# KiCad board Rogelio Pineda part 6-AMLDC-2044B.kicad_pcb (continued)
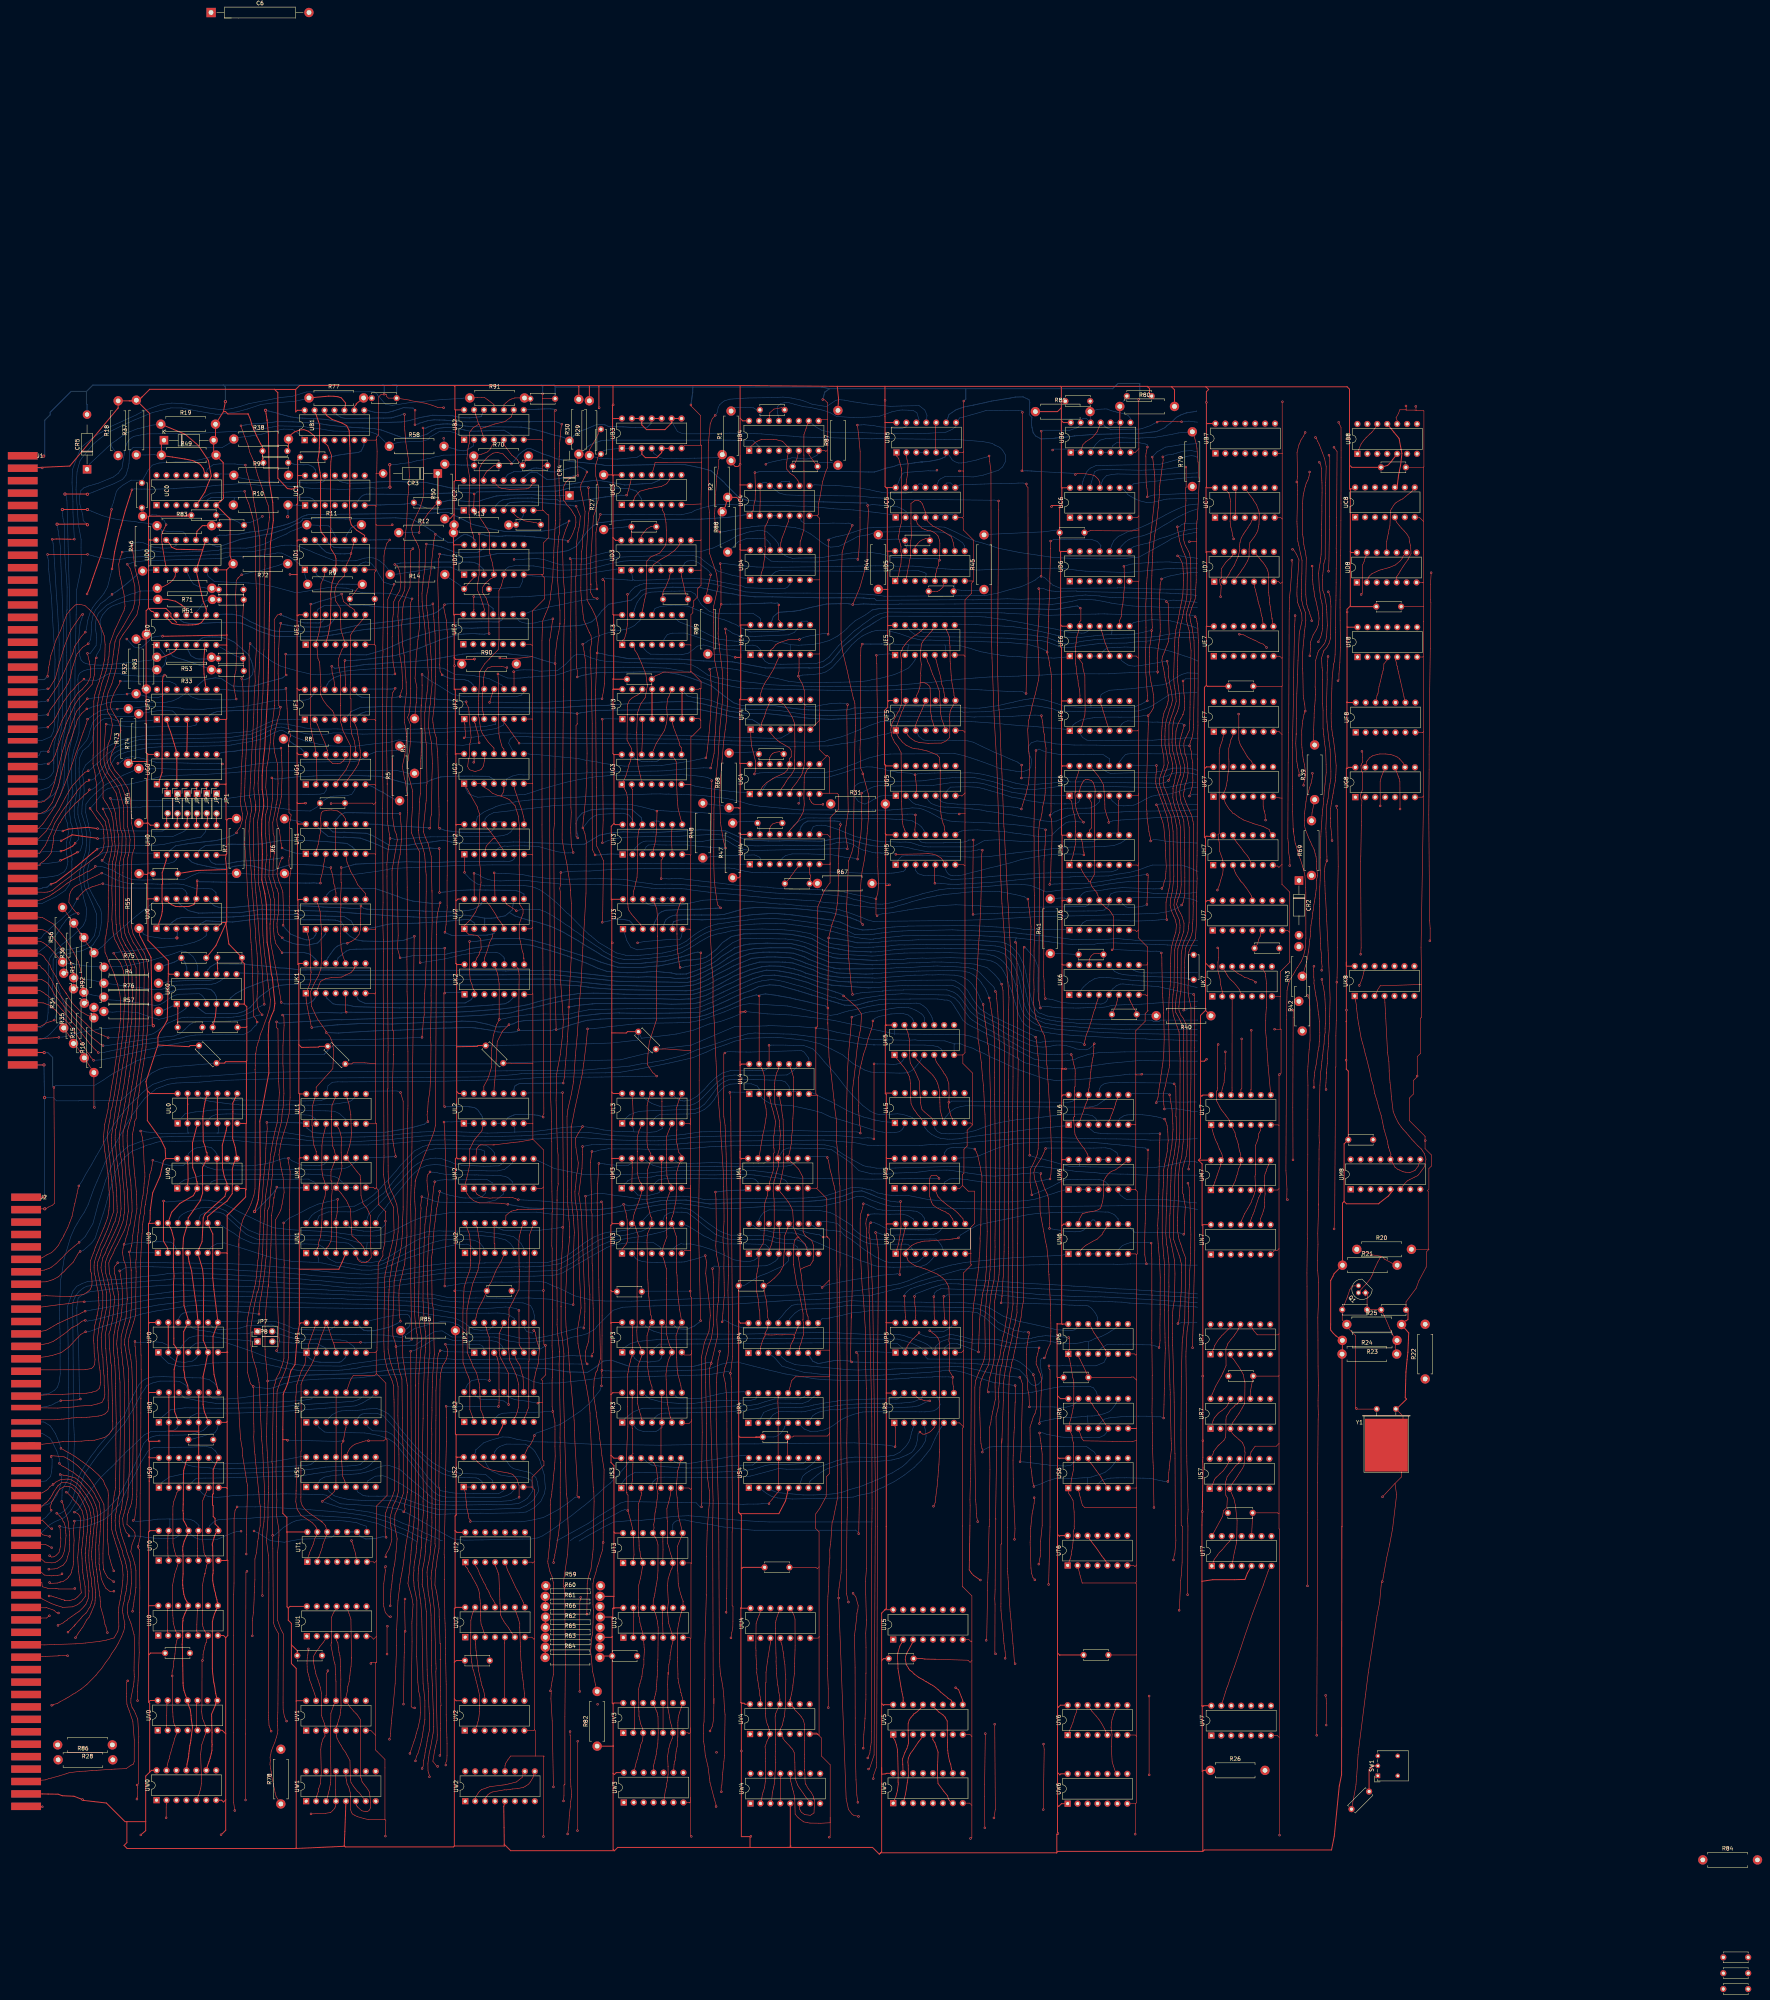
[diagram p0: board, top side]
## Routing (per net, layer and track width the routed paths; a pad name or vN(x,y) marks a point on that pad's centre or on a via; arc(x,y) is an arc through that point) (continued)
  Bottom w0.15: v1(321.14,251.26) 320.94,251.56 320.34,252.72 320.07,253.55 319.57,254.48 319.07,255.28 318.4,256.34 317.37,257.41 315.59,258.41 313.85,258.73 311.1,258.81 309.72,258.84 308.24,258.77 306.73,258.81 305.67,258.73 303.71,258.73 302.49,258.65 299.47,258.41 296.63,258.2 296.07,258.14 295.14,258.03 293.43,257.97 292.8,258.02
  Bottom w0.2: 270.67,262.09 270.64,262.06 ; UK0.3 120.41,250.46 121.51,249.63 122.41,248.98 123.75,248.9 124.63,248.87 126.23,248.95 127.56,248.94 130.53,248.96 132.16,249.44 133.84,250.48 136.27,253.22 137.42,254.04 138.14,254.57 139.5,255.56 141.61,256.13 143.75,256.35 153.16,256.38 163.67,256.37 181.52,256.27 212.87,256.28 216.67,256.09 217.46,256.07 220.21,255.67 221.2,255.51 225.88,255.18 227.47,255.04 245.18,254.73 247.02,254.88 248.36,255.24 250.97,256.36 253.23,257.65 255.58,258.67 259.06,260.6 261.22,261.3 263.94,262.06 269.08,262.09 ; 292.8,258.02 288.78,258.09 285.48,258.07 281.96,258.52 279.55,259.11 277.71,260.1 272.53,261.84 269.9,262.06 269.2,262.06
K0p5: length 24.1
  Top w0.25: UK0.5 124.98,248.19 C64.1
  Bottom w0.2: R76.2 112.62,254.17 114,254.63 115.59,255.11 122.29,255.32 123.82,255.08 124.74,254.18 125.28,253.1 UK0.5
K0p6: length 351
  Top w0.15: v1(320.94,136.91) 320.94,137.71 320.82,137.91 320.58,139.14 320.47,140.68 320.24,148.22 320.31,153.5 320.53,154.83 321.06,156.24 321.68,157.56 322.52,159.17 322.79,160.89 322.66,171.23 322.79,174.03 323.17,177.37 323.34,178.17 323.78,180.29 323.94,180.92 324.04,185.23 324.13,186.23 324.19,189.3 324.16,190.93 324.26,197.94 324.25,197.95 324.25,208.42 324.26,208.44 324.26,215.61 324.22,216.36 324.06,228.27 324.03,232.49 324.03,233.99 324.1,238.33 324.13,239.53 323.89,244.41 323.79,245.51 323.39,248.74 323.14,250.23 322.92,251.77 322.86,252.08 v1(322.67,252.92)
  Bottom w0.15: v1(320.94,136.91) 321.19,137.44 322.63,138.2 324.06,138.33 324.37,138.34 325.45,138.36 326.71,138.34 327.43,138.34 328.18,138.36 347.58,138.31 349.57,136.89 US6.11 ; v1(322.67,252.92) 322.26,254.05 321.91,254.8 321.68,255.32 320.84,256.49 320.67,256.84 319.84,257.8 318.75,258.75 317.65,259.37 316.03,259.78 313.35,259.92 313.28,259.85 313.2,259.92 304.7,259.78 304.05,259.75 301.37,259.68 300.67,259.66 299.73,259.63 297.23,259.46 296.51,259.42 295.19,259.24 293.95,259.17 292.82,259.07
  Bottom w0.2: UK0.6 128.89,252.94 130.23,254.06 132.78,255.43 135.49,256.48 138.12,257.48 142.22,257.55 145.78,257.55 177.09,257.55 210.47,257.75 225.6,256.19 232.65,255.98 239.81,255.83 242.02,255.82 244.26,255.89 247.18,256.22 249.53,257.05 250.92,257.68 253.1,258.92 256.19,260.46 257.32,261.04 262.01,263.03 265.9,263.36 267.97,263.38 271.93,263.17 274.62,262.29 275.81,261.78 277.56,261.18 278.77,260.71 281.22,259.99 283.74,259.31 286.35,259.17 291.21,259 292.99,259.07
K0p8: length 332.3
  Top w0.15: v1(324.26,254.58) 324.49,254.17 324.51,253.81 324.61,252.74 324.88,249.42 325.21,241.98 325.35,241.31 325.41,206.87 325.28,183.86 325.2,182.3 325.04,180.97 324.66,179 324.38,177.38 324.28,176.55 324.02,175.16 324.02,161.72 ; 324.05,161.7 324.02,161.72 ; 324.02,161.72 323.88,160.28 323.58,158.77 323.18,157.38 322.79,155.95 322.68,155.33 322.26,152.6 v1(322.47,152.26)
  Bottom w0.15: 292.94,260.35 292.99,260.4 297.62,260.52 299.02,260.62 299.56,260.61 301.5,260.69 302.64,260.7 304.78,260.84 308.41,261.04 309.39,261.07 311.34,260.95 311.95,261 315.29,260.79 316.42,260.72 317.3,260.63 318.65,260.35 319.95,259.72 322.54,257.02 322.82,256.75 323.15,256.42 323.73,255.82 324.05,255.41 v1(324.26,254.58) ; UR6.11 350.07,152.3 349.29,153.35 348.6,153.61 345.99,153.72 344.02,153.69 342.75,153.7 341.11,153.66 339.01,153.31 336.51,152.79 333.66,152.2 333.63,152.23 331.56,151.89 330.02,151.82 328.08,151.9 326.53,152.1 323.62,152.28 v1(322.47,152.26)
  Bottom w0.2: 292.94,260.35 284.53,260.32 283,260.54 281.22,261.02 279.18,261.78 276.62,262.77 275.54,263.36 272.67,264.34 268.69,264.59 266.49,264.61 264.89,264.59 261.49,264.23 258.78,263.2 257.34,262.55 255.04,261.22 252.75,259.92 251.93,259.43 251.15,259.11 249.48,258.13 247.65,257.35 245.52,256.88 227.6,257.17 220.63,257.94 218.28,258.14 212.23,258.77 209.56,258.92 208.59,258.93 198.47,258.82 158.46,258.76 156.31,258.82 140.9,258.99 137.14,259.05 130.69,259.3 UK0.8
K0p10: length 20.1
  Top w0.25: UK0.10 125.55,259.25 125.55,260.37 125.48,261.55 C72.1
  Bottom w0.15: UK0.10 125.07,258.2 124.53,257.56 123.8,257.47 123.35,257.43 117.31,257.32 115.79,257.25 114.98,257.2 113.52,257.12 R4.2
K0p11: length 319.1
  Top w0.15: v1(325.86,256.44) 326.02,255.66 326.22,254.85 326.35,245.38 326.58,239.27 326.58,228.62 326.59,228.61 326.51,189.83 326.49,188.18 326.31,182.41 326.27,181.65 326.23,181.39 326.07,178.77 326,177.53 325.94,176.64 325.96,176.74 325.88,176.04 v1(325.73,175.05)
  Bottom w0.15: 292.82,261.38 294.77,261.46 297.05,261.59 298.35,261.69 300.4,261.72 302.36,261.87 304.2,261.89 304.99,261.89 306.91,261.99 308.3,262.09 308.8,262.09 310.11,262.07 310.44,262.08 312.77,261.98 314.29,261.97 315.54,261.81 316.45,261.75 317.62,261.69 318.89,261.56 322.11,260.66 324.02,258.96 324.13,258.82 324.35,258.62 324.97,257.86 325.22,257.53 325.56,256.96 325.67,256.7 v1(325.86,256.44) ; UP6.11 350.35,171.21 350.18,171.75 349.82,172.39 349.08,173.36 348.84,173.64 347.99,174.24 347.43,174.38 346.57,174.42 345.94,174.39 345.66,174.38 344.42,174.42 343.83,174.46 343.17,174.46 341.84,174.56 341.61,174.55 340.75,174.62 340.07,174.64 339.6,174.7 331.89,174.89 v1(325.73,175.05)
  Bottom w0.2: UK0.11 122.94,260.09 123.2,260.22 123.63,260.82 124.98,261.65 132.61,261.55 133.87,261.36 137.19,261.09 138.82,260.89 141.19,260.59 143.04,260.51 146.74,260.07 148.06,260.07 149.33,260.08 153.97,260.06 161.08,259.93 163.35,259.93 168.2,259.9 168.99,259.87 169.47,259.9 181.97,259.92 182.02,259.96 189.07,259.96 189.75,259.94 199.1,259.84 199.13,259.81 199.79,259.85 210.85,259.92 211.31,259.95 213.11,259.8 216.63,259.4 223.53,258.65 225.35,258.39 233.04,258.21 235.2,258.31 241.08,258.11 242.42,257.9 245.55,257.97 247.5,258.57 250.09,259.68 253.51,261.45 255.82,263.08 257.94,264.29 259.49,264.87 262.54,265.5 266.96,265.73 266.98,265.72 271.87,265.72 272.81,265.53 275.01,264.89 276.01,264.55 278.56,263.39 281.9,262.01 288.21,261.67 292.93,261.37
K0p13: length 10.9
  Bottom w0.2: R75.2 114.42,262.04 115.23,262.45 C71.1 116.41,263.15 117.24,261.93 117.68,260.58 UK0.13
K1p3: length 51
  Bottom w0.2: UK2.6 200.95,252.85 200.37,252.26 199.93,251.91 199,251.42 197.73,251.31 195.88,251.14 193.21,250.94 187.14,250.57 185.85,250.47 185.46,250.45 177.56,250.39 172,250.37 160.62,250.68 158.77,251.1 156.23,251.18 155.02,251.42 153.48,252.83 UK1.3
K1p5: length 367.4
  Top w0.15: UK1.5 158.25,249.47 158.42,249.31 v1(158.42,249.27) 158.45,249.27 158.49,249.23 ; v1(333.57,202.62) 333.21,205.08 333.11,205.92 333.2,209.17 333.97,210.6 334.48,211.71 334.94,212.85 335.21,214.42 335.21,215.35 335.34,222.1 335.35,222.6 335.57,228.62 335.34,235.72 335.34,236.21 335.15,238.23 335.13,238.25 334.91,240.78 334.72,242.12 v1(334.56,242.89) ; v1(142.14,248.54) 142.47,248.08 142.54,245.95 142.24,240.7 142.21,236.15 142.27,235.52 142.49,228.47 142.33,226.09 142.28,224.91 142.06,223.86 141.91,221.63 140.69,216.5 140.18,213.39 139.92,212.39 139.64,210.19 139.52,207.55 139.15,204.21 138.72,199.54 138.27,198.51 138.13,190.71 138.12,188.71 138.01,187.22 137.74,185.3 137.65,183.75 137.27,180.73 136.72,177.04 136.42,175.77 136.26,174.22 136.1,172.83 136.12,172.53 v1(136.12,172.12)
  Bottom w0.15: v1(334.56,242.89) 334.55,242.89 333.49,243.54 332.34,244.08 331.7,244.33 329.6,245.4 326.93,246.59 324.71,247.7 322.85,248.52 320.47,250.02 320.14,250.38 319.69,250.94 318.5,252.6 318.32,252.88 317.79,253.76 317.14,254.88 315.93,256.07 314.03,257.24 313.14,257.49 306.79,257.44 305.27,257.44 301.18,257.38 298.62,257.21 296.07,257.14 295.2,256.95 294.92,256.9 292.87,256.95 ; UM6.5 353.14,205.18 352.9,205.42 352.24,206.02 351.39,206.41 350.73,206.51 346.21,206.57 345.14,206.55 343.42,206.57 342.08,206.43 340.53,205.77 338.5,204.68 337.02,203.99 334.59,202.99 v1(333.57,202.62)
  Bottom w0.2: v1(136.12,172.12) 134.78,172.35 131.33,172.73 130.14,172.8 126.56,172.79 123.53,172.79 123.41,172.76 123.1,172.82 117.89,172.71 116.61,172.35 116.07,171.87 115.56,170.97 UP0.12 ; v1(142.14,248.54) 142.35,248.54 142.89,248.69 144.36,248.72 144.77,248.69 146.07,248.72 148.35,248.89 149.28,248.96 151.35,249.13 152.36,249.19 157.2,249.07 v1(158.42,249.27) 182.7,249.12 189.63,249.43 193.78,249.75 197.73,250.05 201.24,250.49 202.3,250.74 204.82,251.18 206.84,251.8 209.03,252.39 210.2,252.67 212.26,253.13 213.31,253.39 216.6,253.85 217.85,254.04 221.55,254.13 224.55,254.09 227.83,253.94 229.36,253.86 231.23,253.83 233.24,253.73 238.39,253.72 246.37,253.76 247.26,253.91 247.8,254.04 251.52,255.3 253.03,256.08 253.68,256.35 254.37,256.71 255.63,257.45 257.43,258.45 259.57,259.28 261.59,260.09 264.48,260.85 265.11,260.94 266.5,261.08 269.36,261.01 272.89,260.3 274.9,259.69 275.72,259.26 279.41,258.23 280.73,257.79 281.38,257.61 284.16,257.13 286.72,257 289.04,256.95 292.87,256.95 292.88,256.96
K1p6: length 248.6
  Top w0.15: 189.89,267.39 189.89,267.35 v1(189.93,267.32) 189.89,267.29 189.89,259.8 190.1,257.34 190.47,256.52 190.78,255.39 191.16,254.74 191.17,254.73 UK2.2
  Bottom w0.15: 292.32,264.67 293.67,264.67 294.37,264.74 297,265.02 297.45,265.11 298.51,265.24 300.47,265.39 306.81,265.62 309.59,265.57 311.22,265.63 311.28,265.57 312.88,265.57 312.9,265.55 316.12,265.55 316.19,265.48 319.14,265.48 319.49,265.41 320.84,265.28 322.47,265.1 323.19,265.06 324.13,264.96 325.05,264.8 326.51,264.17 327.89,262.76 328.72,261.57 329.36,260.28 329.86,258.94 330.14,258.25 330.52,256.58 330.92,254.65 331.35,252.58 331.83,250.72 332.19,249.89 332.78,248.8 333.79,247.94 334.27,247.55 334.73,247.39 336.04,246.86 336.99,246.45 339.79,246.01 341.04,245.76 343.49,245.64 344.16,245.54 344.62,245.55 345.77,245.43 349.53,245.15 350.67,245.09 356.46,244.89 358.46,244.93 365.59,244.91 367.06,244.89 375.86,244.81
  Bottom w0.2: UK2.2 190.33,252.47 188.77,251.63 177.77,251.61 170.54,251.56 164.46,251.53 163.24,251.53 161.95,252.09 161.43,252.47 UK1.6 ; v1(189.93,267.32) 191.31,267.29 192.67,267.54 194.42,267.77 195.9,268.03 203.35,268.08 204.47,267.88 206.71,267.45 207.7,267.14 210.18,266.47 214.09,265.15 221.08,262.96 223.46,262.06 224.65,261.68 227.75,260.77 231.72,260.69 233.77,260.67 236.06,260.93 238.25,261.08 241.57,261.72 242.69,261.99 243.53,262.24 245.25,262.6 246.58,262.61 249.18,262.94 250.36,263.33 251.13,263.86 253.05,265.38 254.52,267.04 256.83,268.59 259.99,269.28 261.66,269.31 267.61,269.38 271.83,269.17 275.33,268.55 277.46,268.02 279.38,266.85 281.58,265.91 284.23,265.4 286.75,264.9 292.58,264.66
K1p10: length 70.7
  Top w0.15: 157.08,284.76 157.08,284.87 ; 157.08,284.76 v1(157.12,286.23) 157.08,286.21 ; 157.08,284.76 157.08,283.11 157.08,282.38 157.17,282.36 156.95,278.22 157.06,276.66 157,275.61 157.04,271.1 157,269.45 156.88,268.55 157.02,267.15 157.11,265.45 157.55,263.69 UK1.10
  Bottom w0.2: UH2.6 201.42,288.52 200.8,287.99 200,287.77 198.54,287.82 186.83,287.72 185.96,287.7 181.36,287.53 173.78,287.69 171.95,287.6 160.79,287.08 158.93,286.55 157.41,286.11 v1(157.12,286.23)
K1p11: length 247.6
  Top w0.15: UN5.1 299.1,188.71 299.31,189.39 299.56,190.21 299.66,190.94 299.85,191.94 300.15,194.47 300.01,198.49 v1(300.05,200.92) 300.05,201.01 300.11,200.95 ; v1(183.59,265.62) 183.59,254.18 v1(183.55,254.14) 183.36,253.95 183.36,225.33 v1(183.55,225.14) ; 199.83,200.24 v1(199.7,200.21) 198.07,200.47 195,200.56 192.42,200.56 190.94,201.12 189.89,202.05 189.29,202.95 UM2.1 189.22,206.96 189.58,208.6 189.91,210.1 189.91,211.63 189.96,211.68 189.96,214.39 190.04,214.47 190.95,216.33 191.31,216.89 193.07,218.98 193.37,220.67 UL2.3 ; 229.38,200.09 v1(229.27,200.2) 229.61,198.89 229.89,198.01 230.01,197.16 230.18,196.22 230.23,191.41 230.21,190.75 229.98,190.07 228.86,188.73 UN3.1
  Bottom w0.15: 293.31,202.43 293.78,202.21 294.57,201.9 295.27,201.7 295.89,201.51 297.37,201 298.39,200.93 298.7,200.84 299.32,200.79 299.67,200.8 v1(300.05,200.92)
  Bottom w0.2: 293.31,202.43 292.46,202.78 290.14,203.64 288.15,203.42 285.18,202.25 282.17,201.58 280.71,201.35 278.33,201.1 276.01,200.93 273.08,200.85 254.69,200.51 251.34,200.29 247.32,200.9 245.25,201.29 239.1,201.2 234.91,200.41 232.17,200 230.65,199.83 v1(229.27,200.2) 228.43,199.74 228.07,199.64 226.85,199.37 223.55,198.93 222.03,198.84 220.05,198.77 214.38,198.93 212.86,199.01 204.89,199.27 201.35,199.9 v1(199.7,200.21) ; UK2.1 187.53,254.38 183.68,254.27 v1(183.55,254.14) ; v1(183.55,225.14) 188.02,225.14 188.88,225.22 189.93,225.1 191.15,224.92 192,224.37 192.81,223.15 192.82,223.15 193.16,222.63 UL2.3 ; UK1.11 156.37,263.2 158.39,264.86 159.37,265.28 160.96,265.37 181.23,265.59 182.87,265.57 183.59,265.64 v1(183.59,265.62)
K2p11: length 216.4
  Top w0.15: 343.6,238.57 343.64,238.54 v1(343.64,238.46) 343.71,238.46 343.86,237.92 344.29,236.03 344.48,235.22 344.64,234.66 344.66,233.66 344.63,232.96 344.63,230.29 344.44,230.1 344.44,229.15 344.44,229.14 344.44,225.15 344.52,222.64 344.55,222.7 344.22,222.41 344.55,218.69 344.6,218.07 344.87,217.54 345.19,216.86 345.46,216.49 346.02,215.65 346.54,214.93 346.97,214.41 347.69,213.23 347.89,212.79 UM6.12 ; UK2.11 197.03,259.25 197.17,258.57 197.48,256.56 197.48,247.47 197.51,247.43 v1(197.52,247.4) 196.83,246.06 195.97,243.26 195.53,239.47 195.56,235.3 194.78,232.81 194.46,232.01 193.56,230.36 UL2.12
  Bottom w0.15: 294.6,253.46 292.46,253.15 290.22,252.81 289.41,252.58 288.24,252.18 286.17,252.28 285.29,252.35 284.44,252.52 283.33,252.97 282.41,253.12 280.03,254.02 278.36,254.58 276.75,255.18 274.87,255.82 272.85,256.32 270.98,256.89 268.74,257.41 267.13,257.6 266.2,257.5 264.56,257.27 262.97,256.85 260.87,255.99 256.43,254.01 255.12,253.35 253.87,252.78 252.71,252.18 250.92,251.45 249.15,250.72 247.61,250.33 246.99,250.28 244.09,250.12 233.21,250.22 230.18,250.14 222.1,249.97 220.39,249.89 217.84,249.39 216.75,249.1 215.21,248.73 214.22,248.74 213.33,248.76 209.39,248.81 209.19,248.81 205.52,248.66 204.61,248.58 202.75,248.35 202.16,248.24 200.47,248.03 199.13,247.71 v1(197.52,247.4) ; 294.6,253.46 294.71,253.48 ; 294.6,253.46 296.99,253.79 298,253.86 298.64,253.86 300.35,253.97 309.68,253.7 312.32,253.63 312.83,253.36 313.91,252.87 315.03,251.69 316.21,249.87 316.85,248.93 317.84,247.65 318.47,247.19 319.5,246.52 322.09,245.01 323.16,244.55 325.42,243.25 326.79,242.6 329.69,240.9 331.21,240.03 333.76,238.89 335.43,238.62 336.68,238.55 337.7,238.45 340.03,238.49 342.01,238.56 342.67,238.63 v1(343.64,238.46)
K5p1: length 58.9
  Top w0.15: UL5.4 305.35,221.94 305.05,222.41 304.4,223.1 304.15,223.49 303.71,224.11 303.38,224.55 302.72,225.88 302.61,227.51 302.61,227.82 302.54,231.16 302.45,231.99 302.32,232.74 302.06,233.3 301.87,233.69 301.67,234.12 300.82,235.33 300.18,236.06 299.94,236.41 299.44,237 299.05,237.49 298.83,238 UK5.1
  Bottom w0.15: UL6.1 341.91,220.21 341.34,220.21 340.77,220.14 340.14,220.06 339.54,219.99 339.07,219.94 337,219.73 336.39,219.69 335.74,219.58 335.28,219.59 332.77,219.34 332.06,219.21 331.49,219.15 330.4,218.99 330.18,218.98 328.12,218.73 326.92,218.56 324.06,218.32 322.89,218.1 320.92,217.84 320.34,217.75 319.18,217.62 317.99,217.42 315.87,217.11 315.01,216.95 313.35,216.83 312.62,216.84 312.03,216.84 310.22,217.06 309.14,217.45 307.93,218.12 307.34,218.6 306.97,218.91 306.38,219.63 306.22,219.89 UL5.4
K5p3: length 65.2
  Top w0.15: UK5.3 303.87,237.59 304.33,237.03 304.88,236.5 305.97,235.36 306.36,235.01 307.2,234.25 307.59,233.86 308.28,233.18 308.99,232.16 309.3,231.6 309.55,230.93 309.79,230.09 309.99,229.09 310.08,226.94 310.08,226.16 310.13,225.1 310.15,224.27 310.55,222.85 310.77,222.01 UL5.6
  Bottom w0.15: UL5.6 311.3,222.18 311.65,222.59 311.97,222.96 312.41,223.52 312.81,223.94 313.98,224.76 315.44,225.19 316.72,225.37 333.74,225.17 334.98,225.09 335.49,225.09 337.4,225.07 347.86,225.03 349.13,225.17 350.35,225.57 351.91,226.69 352.08,226.77 352.36,227.05 352.69,227.36 UL6.10
K5p5: length 52.9
  Top w0.15: UK5.5 308.93,237.27 309.17,236.59 309.4,236.26 309.73,235.8 310.2,235.14 310.92,234.07 311.13,233.68 311.49,233.22 311.91,232.47 312.06,231.93 312.36,231.08 312.44,227.92 312.38,226.28 312.36,226.3 v1(312.36,226.25) 312.41,226.25 312.45,226.21 312.27,225.66 312.24,225.09 312.48,224.44 312.85,222.94 313.34,221.94 UL5.7
  Bottom w0.15: v1(312.36,226.25) 312.75,226.25 313.06,226.57 318.23,226.57 318.27,226.53 325.08,226.4 326.26,226.38 341.53,226.28 342.63,226.28 343.52,226.37 344.03,226.57 344.31,226.71 344.64,226.96 344.99,227.34 UL6.13
K5p11: length 171.2
  Top w0.15: v1(287.58,247.99) 287.5,246.88 286.74,238.53 286.47,234.27 286.22,223.46 286.26,214.9 286.38,145.31 286.3,139.1 286.49,122.73 286.36,119.68 286.21,106.89 286.23,100.71 v1(286.72,98.6) 286.72,98.56
  Bottom w0.15: UK5.11 306.16,247.02 306.08,247.95 305.91,248.27 305.59,248.64 305.36,248.87 304.07,249.69 302.71,250.27 302.02,250.42 300.36,250.47 299.59,250.47 297.73,250.22 296.63,250.03 295.32,249.84 294.09,249.57 292.04,249.35 291.09,249.14 289.9,248.81 289.32,248.69 288.46,248.33 v1(287.58,247.99)
K5p13: length 72.8
  Top w0.15: UK5.13 301.48,245.12 301.92,244.01 302.26,242.44 302.32,241.76 302.27,238.77 302.52,236.28 303.35,234.86 303.9,233.8 304.82,231.69 305.14,226.13 305.35,225.02 305.53,224.37 306.14,223.79 307.2,222.9 307.84,222.37 308.25,221.86 UL5.5
  Bottom w0.15: UL6.4 349.92,222.16 349.02,222.84 347.66,223.14 346.15,223.25 342.72,223.12 340.14,222.96 337.91,222.7 336.63,222.5 332.68,222.07 330.74,221.89 329.74,221.81 329.65,221.81 327.13,221.38 325.66,221.14 323.51,220.64 321.47,219.94 319.12,219.04 316.03,218.33 312.45,218.22 311.46,218.23 310.4,218.33 309.41,218.82 308.73,219.69 UL5.5
K6p2: length 32.4
  Bottom w0.15: 375.84,255.59 375.58,255.64 375.36,255.68 374.93,255.77 374.16,255.93 373.41,256.14 370.37,256.85 368.76,257.06 364.09,257.15 363.74,257.17 362.81,257.17 361.62,257.26 360.84,257.31 359.67,257.37 358.87,257.45 356.61,257.69 355.41,257.88 352.68,258.14 350.93,258.13 349.57,257.8 348.27,257.04 347.39,256.3 346.77,255.71 346.25,255.12 UK6.2
K6p4: length 375.4
  Top w0.15: v1(136.99,100.28) 136.92,100.35 137.02,115.9 137.15,117.64 137.4,119.19 137.42,119.85 137.61,122.21 137.58,123.78 137.58,126.84 137.32,131.18 137.09,136.64 137.01,138.11 136.84,139.8 136.76,140.94 136.52,146.17 136.44,148.04 136.21,153.58 136.12,154.74 136,155.54 135.77,156.44 135.41,158.25 134.46,161.24 134.03,164.45 134.04,166.79 134.04,168.73 134.21,169.84 134.74,173.5 135.18,175.55 135.61,177.53 136.03,178.52 136.29,180.5 136.55,182.12 136.96,186.84 137.04,188.12 137.27,194.4 137.42,195.78 137.53,198.54 137.64,199.09 137.78,202.12 138.04,203.89 138.48,206.86 138.59,208.19 138.99,211.67 139.08,212.83 139.62,216.12 140.19,218.86 140.72,220.86 140.83,221.66 141.08,224.88 141.32,228.67 141.14,231.6 141.08,233.13 140.96,244.99 140.6,245.35 v1(140.6,246.8) ; 347.03,240.85 v1(347.03,240.98) 347.03,241.55 347.2,242.3 347.51,243.53 348.16,245.09 348.74,247.01 349.09,248.27 349.56,249.85 349.76,250.18 350.02,251.35 350.43,252.47 UK6.4
  Bottom w0.15: v1(347.03,240.98) 347.03,241.08 346.02,241.58 344.05,241.72 342.33,241.84 341.52,241.88 341.5,241.91 339.17,241.91 338.1,241.85 336.3,241.68 335.83,241.57 334.7,241.65 332.99,242.18 330.84,243.35 330.17,243.62 328.84,244.36 327.45,245.08 326.36,245.65 325.31,246.17 324.08,246.8 323.51,247.03 322.17,247.8 321.71,248.02 320.97,248.44 320.01,248.96 318.59,250.43 317.79,251.5 316.3,253.62 316.18,253.85 316.19,253.89 314.92,255.38 313.42,256.05 311.91,256.13 301.93,256.02 300.53,256.05 299.55,256.01 297.02,255.89 296.42,255.8 293.47,255.52 292.68,255.52
  Bottom w0.2: 292.68,255.52 291.92,255.48 284.69,256 282.35,256.18 278.73,257.12 276.55,257.93 273.97,258.8 272.12,259.24 269.13,259.78 268.38,259.87 265.73,260 262.47,259.21 258.99,257.88 257.08,256.87 255.19,256.11 253.57,255.25 252.98,255 250.28,253.54 246.87,252.66 245.84,252.66 243.68,252.54 238.1,252.71 235.41,252.72 229.64,252.83 227.89,252.83 217.7,252.8 214.97,252.45 209.99,251.37 207.98,250.86 203.34,249.81 201.99,249.56 200.64,249.12 199.38,248.93 195.03,248.68 192.84,248.47 187.01,248.18 184.01,248.12 177.29,247.94 173.76,247.89 169.31,247.7 161.38,247.48 157.12,247.34 155.63,247.35 152.1,247.17 149.63,246.98 144.96,246.71 143.25,246.62 141.31,246.47 v1(140.6,246.8)
K6p6: length 5.5
  Top w0.15: C49.2 354.49,249.74 354.84,250.51 355.15,251.19 355.47,252.56 355.39,253.26 UK6.6
K6p7: length 10.8
  Top w0.15: UK6.7 358.16,253.49 358.52,252.54 358.68,252.16 358.71,252.16 358.85,251.82 359.19,251.24 359.5,250.47 360.03,249.73 C49.1
  Bottom w0.15: R40.2 365.01,248.7 C49.1
K6p10: length 18.3
  Bottom w0.15: UK6.10 358.86,260.49 359.5,260.02 360.08,259.79 360.7,259.55 362.05,259.39 364.09,259.28 371.56,259.43 375.93,259.33
K6p12: length 22.6
  Bottom w0.15: C48.2 373.69,257.95 363.96,258.38 360.38,258.55 356.93,258.88 355.76,259.18 354.71,259.69 UK6.12
K6p14: length 5.9
  Top w0.15: UK6.14 348.21,262.58 348.33,262.92 348.68,263.58 348.88,263.79 349.28,264.14 349.61,264.2 350.58,264.28 351.61,264.28 C50.1
K6p15: length 10
  Bottom w0.15: R41.1 340.25,264.28 C50.2 345.53,261.46 UK6.15
K7p2: length 12.6
  Top w0.15: UK7.2 382.22,253.78 382.26,254.4 382.07,255.25 381.79,256.42 381.67,257.76 381.13,259.92 381.13,262.05 381.32,263.3 381.25,265.5 v1(381.06,265.69)
K7p9: length 33.1
  Top w0.15: UL7.8 393.93,235.63 393.65,239.89 393.45,242.9 393.28,244.6 393.34,247.2 393.37,248.68 393.49,250.43 393.54,256.58 393.34,258.35 393.25,259.13 392.79,260.04 UK7.9
K7p12: length 7.7
  Top w0.15: 390.77,256.86 390.76,256.88 v1(390.76,256.91) 390.72,256.91 390.43,257.21 389.84,257.54 389.35,257.61 388.87,257.94 387.88,258.19 387.08,258.74 386.27,259.13 384.76,260.29 UK7.12
K7p13: length 9.3
  Top w0.15: UK7.4 386.61,255.09 385.66,256.28 385.17,256.88 384.25,257.69 383.65,258.47 383.44,258.82 382.97,259.64 UK7.13
K8p1: length 54
  Top w0.15: UK8.1 416.31,252.14 416.49,251.14 416.55,250.26 416.83,247.81 417.02,246.5 417.29,245.07 417.74,242.46 418.12,241.21 418.48,239.87 418.73,238.74 419.08,237.53 419.89,234.27 420.4,231.82 420.82,230.55 421.16,228.58 421.75,226.71 422.3,224.58 422.83,222.9 423.23,221 423.4,220.11 423.55,219.38 424.47,216.25 424.56,215.47 424.75,214.8 424.71,214.81 424.96,213.99 425.33,212.99 425.2,212.5 UM8.12 425.82,210.72 426.35,209.7 427.04,209.17 427.51,208.96 428.42,208.52 429.07,208.41 430.2,208.32 431.48,208.86 432.28,209.96 UM8.9
K8p4: length 55.2
  Top w0.15: UK8.4 423.79,251.71 423.95,248.89 424.01,247.62 424.47,238.9 424.8,236.62 424.89,234.34 424.87,234.02 425.09,231.3 425.28,229.82 425.44,227.72 425.9,223.89 426.44,222.56 427.21,221 427.97,219.93 428.42,219.39 429.22,218.52 430.62,216.84 431.21,216.22 432.18,215.17 433.11,214.32 433.44,213.81 433.89,213.12 434.28,211.75 433.91,209.85 433.3,209 432.94,208.49 432.15,207.52 431.29,207.12 430.12,206.52 429.48,206.18 428.8,205.44 UM8.6
K8p13: length 5.3
  Top w0.15: UK8.13 418.45,259.75 418.3,259.17 418.11,258.28 417.96,257.85 417.51,256.64 417.23,256.12 417.23,256.12 v1(417.25,256.1) 417.23,256.08 417.23,255.94
L0p1: length 48.6
  Bottom w0.15: UL0.1 115.33,221.19 117.23,223.31 119.83,223.81 121.65,223.92 123.7,224.24 125.25,224.33 140.08,224.45 145,224.37 149.47,224.15 150.7,224.09 153.09,224.08 155.41,223.96 156.72,223.35 157.07,223.01 158.16,222.02 UL1.5 UL1.6
L0p3: length 171.3
  Top w0.15: v1(82.48,100.17) 83.06,100.17 83.69,99.95 84.34,99.77 85.72,99.31 86.54,99.09 86.35,99.08 87.69,98.96 89.08,99.4 89.78,99.94 90.72,100.97 90.35,104.21 90.24,104.82 90.03,106.48 89.94,107.61 89.8,109.93 89.96,112.04 90.22,115.21 90.41,117.73 90.56,119.31 90.36,120.55 89.74,121.29 88.93,121.56 v1(88.93,121.58)
  Top w0.25: UL0.3 119.13,215.9 119.18,209.54 119.89,207.66 120.24,205.97 120.3,205.9 UM0.3 119.34,202.42 115.89,200.43 113.8,198.18 UN0.13 113.75,193.68 114.38,191.29 114.25,189.12 114.25,184.12 114.41,181.89 114.28,180.25 114.36,165.92 114.36,164.44 114.91,163.64 UP0.3 114.44,158.03 114.52,148.87 114.57,147.22 UR0.3
  Bottom w0.15: UP0.3 116.48,164.06 117.12,165.08 118.24,166.1 119.53,166.51 120.72,166.68 122.93,166.54 123.7,166.54 126.66,166.01 127.32,165.92 128.66,165.66 130.96,165.57 133.45,165.36 133.88,165.3 JP8.1 ; v1(88.93,121.58) 90.01,122.3 92.33,126.14 94.39,128.87 95.35,130.09 97.37,132.11 97.64,132.36 98.48,133.12 102.07,136.82 102.55,137.32 103,137.65 106.87,141.36 108.42,142.12 109.71,142.24 112.16,142.23 113.5,142.38 114.32,142.5 114.86,142.78 115.33,143.22 UR0.3
L0p4: length 30.4
  Bottom w0.15: UL1.2 150.77,221.67 150.53,222.02 149.57,222.75 148.91,222.98 147.58,223.05 144.49,223.17 140.05,223.12 133.38,223.18 130.04,223.27 127.82,223.28 125.18,223.16 124.06,222.7 123.38,222.14 UL0.4
L0p6: length 147.5
  Top w0.15: v1(82.61,103.62) 82.84,103.39 84.59,103.48 85.06,103.58 85.34,103.77 85.29,103.72 86.07,103.89 87.14,104.6 87.51,105.02 87.51,105.09 87.9,105.56 88.21,106.17 88.32,106.85 88.56,107.47 88.76,108.86 88.81,113.17 88.88,114.36 88.74,116.86 88.82,118.22 88.96,118.91 v1(88.93,119.3)
  Top w0.25: UL0.6 127.71,218.98 126.74,215.31 126.8,209.48 126.96,208.67 127.26,207.24 127.92,205.6 UM0.6 127.41,202.25 122.41,197.81 122.18,197.51 121.87,196.71 121.58,190.7 120.82,188.92 UN0.5 121.69,183.65 121.99,180.62 121.88,165.49 122.45,164.11 UP0.6 122.41,158.89 121.8,156.12 121.83,156.09 121.83,149.05 122.14,147.26 UR0.6
  Bottom w0.15: 122.58,143.1 121.95,142.5 120.71,141.95 118.04,141.3 113.98,141.24 110.68,141.24 109.15,140.95 108.44,140.67 107.61,140.19 106.64,139.08 105.52,136.14 103.16,131.13 102.17,129.15 100.16,125.38 97.05,122.04 95.07,120.75 92.04,119.63 v1(88.93,119.3) ; 122.64,143.14 123.05,143.61 UR0.6
L0p9: length 166.2
  Top w0.15: UJ3.11 237.25,276.9 237.75,275.65 237.9,273.86 237.89,272.87 237.96,268.64 237.93,268.7 237.84,262.4 237.73,259.8 237.7,255.11 237.68,252.34 237.67,250.86 237.67,247.32 235.85,241.67 235.51,238.62 235.34,235.9 236.75,233.79 237.09,233.56 237.54,233.06 237.64,232.95 v1(237.74,232.95) 237.74,232.85 237.8,232.79
  Bottom w0.15: v1(237.74,232.95) 229.01,232.79 223.56,232.71 220.43,232.67 212.64,232.76 208.74,232.67 202.81,232.2 183.6,231.64 157.5,231.46 156.26,231.48 154.86,231.38 153.75,230.48 UL1.12 153.27,227.21 151.97,226.71 150.15,226.62 149.96,226.69 147.87,226.61 132.13,226.83 131.26,226.88 130,226.73 129.3,227.02 128.39,227.61 UL0.9 ; UJ3.9 241.43,278.1 240.55,278.58 240.08,278.1 UJ3.10 238.18,278.25 237.54,278.23 237.28,278.1 UJ3.11
L0p12: length 42.4
  Bottom w0.15: UL1.9 160.6,227.53 160.14,227.08 159.85,226.79 159.23,226.4 159.22,226.39 156.8,226.01 154.67,225.72 151.7,225.65 150.44,225.51 148.64,225.53 143.1,225.6 143.06,225.56 131.42,225.56 130.82,225.64 129.83,225.69 126.9,226.08 124.97,226.32 123.64,226.5 122.57,226.76 121.16,227.5 UL0.12
L0p13: length 427.8
  Top w0.15: UL3.2 231.71,223.3 231.57,226.61 231.71,228.24 UL3.13 ; 219.93,95.49 v1(219.89,95.52) 219.93,99.33 219.98,100.41 219.98,100.81 219.97,101.21 219.97,103.25 220.25,104.96 220.56,105.91 220.94,107.07 221.36,110.76 221.5,112.09 221.59,116.08 221.59,117.46 221.74,124.37 221.65,126.79 221.51,127.94 221.18,134.18 220.87,141.9 220.74,144.67 220.7,146.87 220.4,150 219.71,153.95 218.4,160.41 217.62,164.6 217.53,168.25 218.4,173.73 217.84,185.89 217.89,185.94 217.58,196.36 217.41,198.34 216.91,201.21 216.84,203.45 217,204.8 217.27,207.65 217.58,209.34 217.7,210.76 217.08,214.76 216.96,216.97 217.66,218.31 v1(218.79,220.08) ; 106.61,214.97 106.74,211.02 106.8,210 106.95,208.27 106.97,207.25 106.77,205.55 106.71,204.44 106.49,202.53 106.29,201.67 105.78,197.92 105.53,196.78 105.33,193.76 105.23,193.04 105.1,191.87 105.01,190.91 104.92,189.12 104.9,188.79 104.72,186.14 104.65,185.37 104.69,183.85 104.73,183.03 104.63,176.7 104.66,175.18 104.64,172.76 104.61,172 104.1,170.14 103.42,168 102.92,166.24 102.74,165.19 102.92,163.1 103.18,161.89 103.39,160.52 103.62,158.63 103.87,151.58 103.85,150.48 103.85,149.64 103.87,149.32 104.04,145.08 103.77,127.56 103.76,126.14 103.68,124.76 103.5,123.81 103.26,122.92 102.99,122.5 102.74,121.56 102.52,120.92 102.37,118.46 103,117.9 104.02,116.91 104.39,116.36 104.48,115.4 103.69,113.36 103.35,111.45 103.83,110.35 104.42,108.19 104.67,106.67 104.67,102.36 104.66,102.28 104.38,99.98 104.22,99.29 104.15,98.46 103.98,97.5 103.9,96.94 v1(103.81,96.26) ; v1(105.87,218.94) 106.32,217.33 106.62,214.67 ; UL3.5 239.07,226.42 239.05,226.45 239.07,226.47 UL3.10
  Top w0.25: UL0.10 UL0.5 ; UL0.13 117.87,225.87 117.95,225.79 117.87,225.71 UL0.2
  Bottom w0.15: 217.92,220.04 216.32,219.94 215.62,219.96 214.18,219.86 211.07,219.43 209.9,219.22 208.04,218.99 206.47,218.81 201.38,218.65 ; 217.64,220.04 218.28,220.02 v1(218.79,220.08) 222.26,219.62 224.03,219.21 228.09,218.77 228.96,218.75 231.86,218.75 231.86,218.75 UL3.2 ; 118.09,218.42 118.05,218.37 111.23,218.31 107.23,218.69 106.76,218.8 106.47,218.92 105.87,219.08 v1(105.87,218.94) ; 118.09,218.42 125.44,218.42 ; 118.09,218.42 117.95,218.55 UL0.2 ; UL3.5 239.23,220.72 239.23,219.59 237.61,218.75 235.82,218.58 233.86,218.65 232.99,218.67 232.09,218.69 231.39,218.75 ; UL2.6 201.49,219.53 201.49,218.65 201.38,218.65 ; 201.38,218.65 197.01,218.45 194.53,218.4 189.85,218.62 187.85,218.68 183.8,218.89 181.01,218.83 177.31,218.65 176.75,218.6 175.96,218.56 174.39,218.36 173.54,218.28 170.63,217.93 168.8,217.69 165.82,217.55 163.13,217.41 153.66,217.31 151.05,217.31 148.8,217.45 146.98,217.84 142.29,218.63 139.73,218.75 137.46,218.7 136.57,218.64 125.44,218.42 ; 125.44,218.42 125.66,218.42 125.84,218.59 125.84,220.52 UL0.5
